# KiCad board C816SX.kicad_pcb (continued)
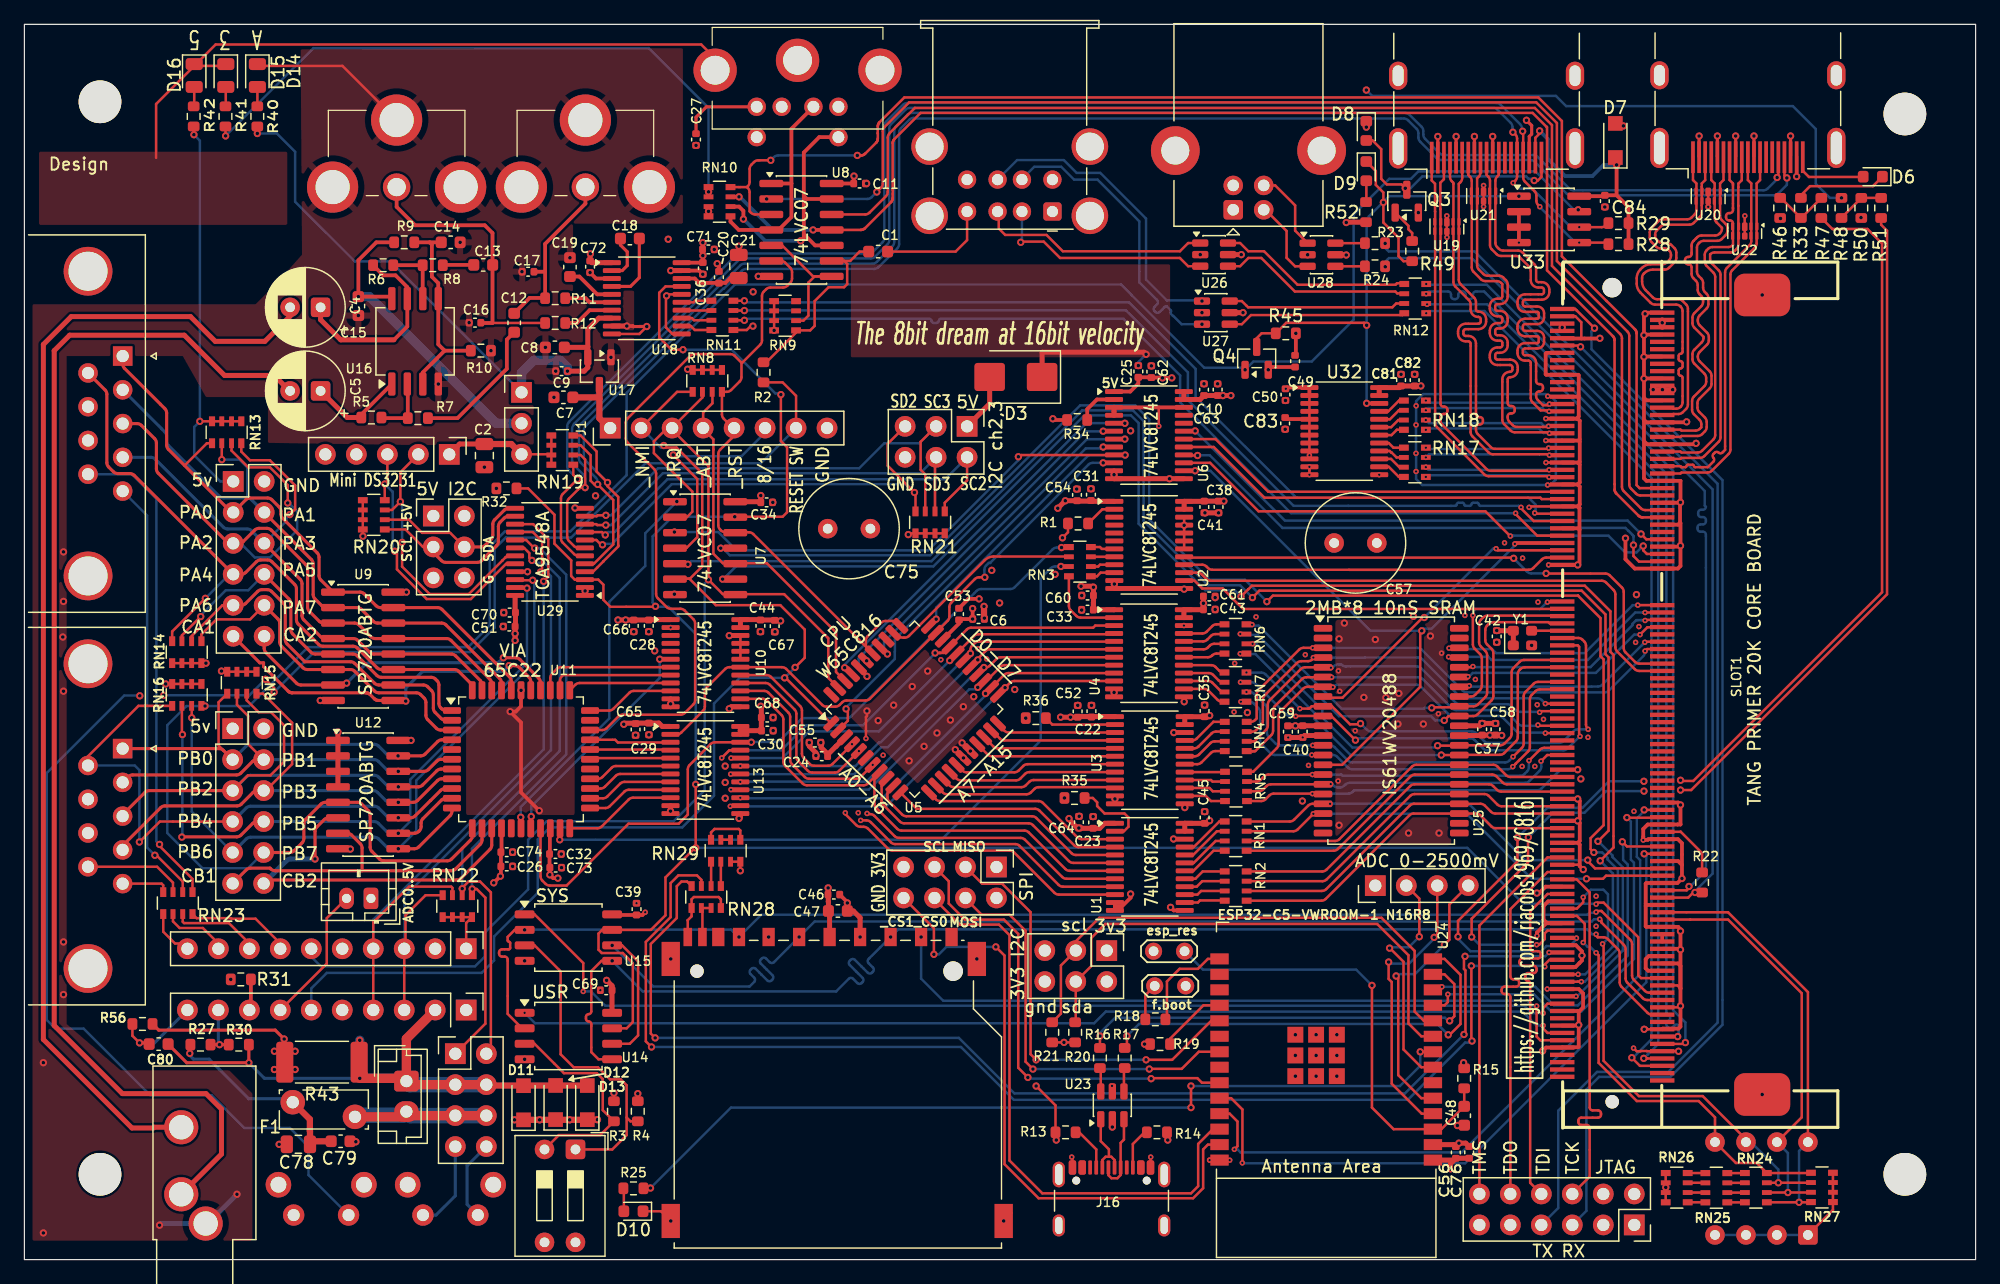
[diagram p0: board, top side]
## Routing (per net, layer and track width the routed paths; a pad name or vN(x,y) marks a point on that pad's centre or on a via; arc(x,y) is an arc through that point) (continued)
PS2DATOUT: length 106.8
  Top w0.203: 134.36,62.64 SLOT1.52 132.51,62.7 arc(132.31,62.74) 132.15,62.85 131.75,63.25 arc(131.64,63.42) 131.6,63.61 131.6,75.79 arc(131.56,75.98) 131.45,76.15 125.67,81.93 125.67,93.26 123.97,94.95 72.55,94.95 70.53,92.93 arc(70.43,92.77) 70.39,92.58 70.39,88.29 arc(70.35,88.1) 70.24,87.94 v1(69.9,87.6)
  Bottom w0.203: v1(69.9,87.6) 69.47,87.17 arc(69.31,87.06) 69.12,87.03 v1(60.86,87.03)
RDY.: length 42.9
  Top w0.203: 95.07,67.97 95.98,67.97 v1(96,68) ; SLOT1.64 133,59.1 v1(132.56,59.54)
  Bottom w0.203: v1(132.56,59.54) 131.46,60.64 103.36,60.64 96,68 v1(96,68)
RST_SW: length 136.8
  Top w0.2: 63.28,68.23 63.28,70.87 62.17,71.98 R2.2
  Top w0.203: v1(19.76,47.62) 20.48,46.9 v1(20.48,46.56)
  In3.Cu w0.203: v1(9.46,46.26) 9.46,46.28 9.49,46.31 v1(11.43,46.31)
  Bottom w0.203: SW5.2 23.3,6.94 23.3,9.28 21.77,10.8 18.04,10.8 15.35,13.49 10.32,13.49 4.86,18.95 2.55,18.95 1.83,19.67 1.83,39.93 8.18,46.28 9.44,46.28 v1(9.46,46.26) ; v1(19.76,47.62) 18.45,46.31 v1(11.43,46.31) ; v1(20.48,46.56) 23.77,49.85 36.56,49.85 38.56,51.86 38.56,58.33 39.47,59.25 44.84,59.25 50.93,65.34 60.39,65.34 63.28,68.23
RW.: length 55.1
  Top w0.203: v1(96,64.72) 95.07,64.72 ; 106.35,40.6 108.06,40.6 114.46,47 114.46,51.47 v1(114.59,51.59)
  Top w0.305: v2(122.22,58.73) 122.29,58.8 SLOT1.65
  Bottom w0.203: v2(122.22,58.73) 122.28,58.66 115.4,51.77 114.64,51.77 114.59,51.72 v1(114.59,51.59) 110.39,51.59 97.25,64.72 v1(96,64.72)
SCK: length 110.1
  Top w0.203: v2(129.18,27.93) 129.31,27.8 129.31,27.67 131.15,25.83 arc(131.26,25.67) 131.3,25.47 131.3,23.07 arc(131.34,22.88) 131.44,22.72 132.72,21.45 arc(132.88,21.34) 133.07,21.3 SLOT1.182 134.3,21.3 ; U15.6 49.01,25.79 50.32,24.47 50.32,18.4 49.64,17.71 U14.6
  Bottom w0.203: v2(129.18,27.93) 128.71,27.93 128.53,27.74 64.8,27.74 v1(63.53,26.47) 61.46,24.4 arc(61.29,24.33) 61.12,24.4 60.81,24.71 arc(60.64,24.78) 60.47,24.71 60.39,24.63 arc(60.32,24.46) 60.39,24.29 61.35,23.33 arc(61.42,23.16) 61.35,22.99 61.26,22.9 arc(61.09,22.83) 60.92,22.9 59.96,23.86 arc(59.79,23.93) 59.62,23.86 59.54,23.78 arc(59.47,23.61) 59.54,23.44 59.85,23.13 arc(59.92,22.96) 59.85,22.79 59.47,22.41 51.57,22.41 v1(48.2,25.78)
SW1: length 35.8
  Top w0.203: RN27.4 146.48,4.7 v1(145.52,4.7) RN24.1 ; SLOT1.158 139.7,28.5 146.25,21.95 146.25,9.64
  Bottom w0.203: 146.25,9.64 145.52,8.92 v1(145.52,4.7)
SW2: length 35.1
  Top w0.203: 143.71,9.64 145.74,11.68 145.74,21.86 139.7,27.9 136.6,27.9 SLOT1.160 ; RN24.2 v1(144.61,5.5) 146.48,5.5 RN27.3
  Bottom w0.203: 143.71,9.64 144.61,8.75 v1(144.61,5.5)
SW3: length 41.5
  Top w0.203: v2(129.41,25.91) 129.49,25.82 129.49,16.31 132.39,13.42 137.62,13.42 141.17,9.87 141.17,9.64 ; v2(127.82,29.73) 127.82,29.73 127.82,29.32 127.3,28.8 SLOT1.157 ; RN27.2 146.48,6.3 v1(143.82,6.3) RN24.3
  Bottom w0.203: v1(143.82,6.3) 143.82,7.4 141.57,9.64 141.17,9.64 ; v2(127.82,29.73) 128.44,30.35 129.48,30.35 129.85,29.98 129.85,26.35 v2(129.41,25.91)
SW4: length 36.6
  Top w0.203: v2(128.88,25.18) 129.09,24.97 129.09,16.14 132.22,13.01 137.29,13.01 138.63,11.67 138.63,9.64 140.34,7.93 142.06,7.93 RN24.4 146.48,7.1 RN27.1 ; SLOT1.159 127.3,28.2 127.95,27.56 127.95,26.14 v2(127.82,26.02)
  Bottom w0.203: v2(128.88,25.18) 128.4,25.66 128.18,25.66 v2(127.82,26.02)
TMDS0_N: length 44.6
  Top w0.2: SLOT1.33 125,68.4 v2(124.98,68.38) 124.92,68.32 124.52,68.32 122.4,68.32 arc(122.21,68.36) 122.04,68.47 121.78,68.73 arc(121.67,68.9) 121.63,69.09 121.63,69.2 arc(121.7,69.37) 121.87,69.44 121.97,69.44 arc(122.14,69.51) 122.21,69.68 122.21,69.8 arc(122.14,69.97) 121.97,70.04 121.87,70.04 arc(121.7,70.11) 121.63,70.28 121.63,72.22 arc(121.68,72.35) 121.81,72.4 121.84,72.4 arc(122.27,72.58) 122.46,73.02 122.46,73.22 arc(122.27,73.66) 121.84,73.84 120.78,73.84 arc(120.66,73.9) 120.6,74.02 120.6,74.22 arc(120.66,74.35) 120.78,74.4 121.01,74.4 arc(121.45,74.58) 121.63,75.02 121.63,75.22 arc(121.45,75.66) 121.01,75.84 120.78,75.84 arc(120.66,75.9) 120.6,76.02 120.6,76.22 arc(120.66,76.35) 120.78,76.4 121.01,76.4 arc(121.45,76.58) 121.63,77.02 121.63,77.22 arc(121.45,77.66) 121.01,77.84 120.78,77.84 arc(120.66,77.9) 120.6,78.02 120.6,78.22 arc(120.66,78.35) 120.78,78.4 121.01,78.4 arc(121.45,78.58) 121.63,79.02 121.63,80.01 arc(121.59,80.21) 121.48,80.37 121.27,80.58 arc(121.11,80.69) 120.92,80.73 119.98,80.73 arc(119.79,80.77) 119.63,80.87 119.27,81.23 arc(119.16,81.39) 119.12,81.59 119.12,88.72 119.25,88.85 arc(119.36,89.02) 119.4,89.21 119.4,90.5
  Bottom w0.2: 125.01,68.4 125,68.41 124.61,68.41 124.38,68.64 115.17,68.64 v2(114.92,68.89)
TMDS0_P: length 44.6
  Top w0.2: SLOT1.35 v2(125.05,67.8) 125,67.8 124.92,67.88 122.21,67.88 arc(122.02,67.92) 121.86,68.03 121.34,68.55 arc(121.23,68.71) 121.19,68.91 121.19,72.22 arc(121.37,72.66) 121.81,72.84 121.84,72.84 arc(121.96,72.9) 122.02,73.02 122.02,73.22 arc(121.96,73.35) 121.84,73.4 120.78,73.4 arc(120.35,73.58) 120.16,74.02 120.16,74.22 arc(120.35,74.66) 120.78,74.84 121.01,74.84 arc(121.14,74.9) 121.19,75.02 121.19,75.22 arc(121.14,75.35) 121.01,75.4 120.78,75.4 arc(120.35,75.58) 120.16,76.02 120.16,76.22 arc(120.35,76.66) 120.78,76.84 121.01,76.84 arc(121.14,76.9) 121.19,77.02 121.19,77.22 arc(121.14,77.35) 121.01,77.4 120.78,77.4 arc(120.35,77.58) 120.16,78.02 120.16,78.22 arc(120.35,78.66) 120.78,78.84 121.01,78.84 arc(121.14,78.9) 121.19,79.02 121.19,80.04 121.09,80.14 arc(120.93,80.25) 120.73,80.29 119.8,80.29 arc(119.61,80.33) 119.44,80.43 118.83,81.05 arc(118.72,81.21) 118.68,81.41 118.68,88.51 arc(118.64,88.7) 118.53,88.86 118.4,89 118.4,90.5
  Bottom w0.2: 125.02,67.8 125,67.82 124.57,67.82 124.19,68.2 115.21,68.2 115.1,68.09 v2(114.92,68.09)
TMDS1_N: length 44.5
  Top w0.2: 117.9,90.5 117.9,88.75 arc(117.86,88.56) 117.75,88.4 117.62,88.26 117.62,80.39 arc(117.66,80.2) 117.77,80.03 118.88,78.92 arc(118.99,78.76) 119.03,78.56 119.03,77.97 arc(119.08,77.84) 119.21,77.79 119.24,77.79 arc(119.68,77.6) 119.86,77.17 119.86,76.97 arc(119.68,76.53) 119.24,76.35 118.18,76.35 arc(118.05,76.29) 118,76.17 118,75.97 arc(118.05,75.84) 118.18,75.79 118.41,75.79 arc(118.85,75.6) 119.03,75.17 119.03,69.37 arc(119.1,69.2) 119.27,69.13 119.36,69.13 arc(119.53,69.06) 119.6,68.89 119.6,68.77 arc(119.53,68.6) 119.36,68.53 119.27,68.53 arc(119.1,68.46) 119.03,68.29 119.03,68.09 arc(119.07,67.9) 119.18,67.73 120.24,66.67 arc(120.41,66.56) 120.6,66.52 124.92,66.52 125,66.6 SLOT1.39
  Bottom w0.2: 125,66.6 v2(124.99,66.59) 124.91,66.51 115.03,66.51 v2(114.92,66.62)
TMDS1_P: length 44.5
  Top w0.2: SLOT1.41 v2(125.05,66) 125,66 125,66 124.92,66.08 120.41,66.08 arc(120.22,66.12) 120.06,66.23 118.74,67.55 arc(118.63,67.71) 118.59,67.91 118.59,75.17 arc(118.54,75.29) 118.41,75.35 118.18,75.35 arc(117.74,75.53) 117.56,75.97 117.56,76.17 arc(117.74,76.6) 118.18,76.79 119.24,76.79 arc(119.37,76.84) 119.42,76.97 119.42,77.17 arc(119.37,77.29) 119.24,77.35 119.21,77.35 arc(118.77,77.53) 118.59,77.97 118.59,78.38 arc(118.55,78.57) 118.44,78.74 117.33,79.85 arc(117.22,80.01) 117.18,80.21 117.18,88.26 117.17,88.28 117.17,88.36 117.05,88.48 arc(116.94,88.64) 116.9,88.83 116.9,90.5
  Bottom w0.2: v2(114.92,65.82) 115.17,66.07 124.24,66.07 124.24,66.07 124.96,66.07 125.02,66
TMDS2_N: length 44.5
  Top w0.2: 116.4,90.5 116.4,88.65 116.11,88.36 116.11,86.19 116.12,86.18 116.12,70.23 arc(116.19,70.06) 116.36,69.99 116.45,69.99 arc(116.62,69.92) 116.69,69.75 116.69,69.63 arc(116.62,69.46) 116.45,69.39 116.36,69.39 arc(116.19,69.32) 116.12,69.15 116.12,68.85 arc(116.16,68.66) 116.27,68.49 119.89,64.87 arc(120.06,64.76) 120.25,64.72 124.88,64.72 124.96,64.8 v2(125.02,64.8) SLOT1.45
  Bottom w0.2: v2(114.92,65.02) 115.14,64.8 v2(125.02,64.8)
TMDS2_P: length 44.5
  Top w0.2: SLOT1.47 v2(125.02,64.2) 124.98,64.2 124.9,64.28 120.07,64.28 arc(119.87,64.32) 119.71,64.43 115.83,68.31 arc(115.72,68.47) 115.68,68.67 115.68,86 115.67,86.01 115.67,88.27 115.4,88.54 115.4,90.5
  Bottom w0.2: v2(125.02,64.2) 124.86,64.36 115.06,64.36 v2(114.92,64.22)
TMDSC_N: length 44.6
  Top w0.2: SLOT1.27 v2(125.05,70.2) 124.95,70.1 124.54,70.1 124.52,70.12 124.51,70.12 124.11,70.52 arc(124,70.69) 123.96,70.88 123.96,71 arc(124.03,71.17) 124.2,71.24 124.28,71.24 arc(124.45,71.31) 124.52,71.48 124.52,71.6 arc(124.45,71.77) 124.28,71.84 124.2,71.84 arc(124.03,71.91) 123.96,72.08 123.96,73.58 arc(123.78,74.02) 123.34,74.2 123.06,74.2 arc(122.93,74.25) 122.88,74.38 122.88,74.58 arc(122.93,74.71) 123.06,74.76 124.07,74.76 arc(124.45,74.92) 124.61,75.31 124.61,75.65 arc(124.45,76.04) 124.07,76.2 123.06,76.2 arc(122.93,76.25) 122.88,76.38 122.88,76.58 arc(122.93,76.71) 123.06,76.76 124.07,76.76 arc(124.45,76.92) 124.61,77.31 124.61,77.65 arc(124.45,78.04) 124.07,78.2 123.06,78.2 arc(122.93,78.25) 122.88,78.38 122.88,78.58 arc(122.93,78.71) 123.06,78.76 124.42,78.76 arc(124.86,78.94) 125.04,79.38 125.04,79.58 arc(124.86,80.02) 124.42,80.2 124.14,80.2 arc(124.01,80.25) 123.96,80.38 123.96,81.31 arc(123.92,81.51) 123.81,81.67 122.84,82.64 arc(122.68,82.75) 122.48,82.79 121.26,82.79 arc(121.07,82.83) 120.9,82.94 120.77,83.07 arc(120.66,83.23) 120.62,83.43 120.62,88.51 arc(120.66,88.71) 120.77,88.87 120.9,89 120.9,90.5
  Bottom w0.2: v2(125.05,70.2) 125.04,70.19 124.69,70.19 124.57,70.31 115.09,70.31 v2(114.92,70.49)
TMDSC_P: length 44.6
  Top w0.2: SLOT1.29 v2(125.02,69.6) 124.97,69.6 124.89,69.68 124.33,69.68 123.67,70.34 arc(123.56,70.5) 123.52,70.7 123.52,73.58 arc(123.47,73.71) 123.34,73.76 123.06,73.76 arc(122.62,73.94) 122.44,74.38 122.44,74.58 arc(122.62,75.02) 123.06,75.2 124.07,75.2 arc(124.14,75.23) 124.17,75.31 124.17,75.65 arc(124.14,75.73) 124.07,75.76 123.06,75.76 arc(122.62,75.94) 122.44,76.38 122.44,76.58 arc(122.62,77.02) 123.06,77.2 124.07,77.2 arc(124.14,77.23) 124.17,77.31 124.17,77.65 arc(124.14,77.73) 124.07,77.76 123.06,77.76 arc(122.62,77.94) 122.44,78.38 122.44,78.58 arc(122.62,79.02) 123.06,79.2 124.42,79.2 arc(124.55,79.25) 124.6,79.38 124.6,79.58 arc(124.55,79.71) 124.42,79.76 124.14,79.76 arc(123.7,79.94) 123.52,80.38 123.52,81.13 arc(123.48,81.32) 123.37,81.49 122.66,82.2 arc(122.49,82.31) 122.3,82.35 121.08,82.35 arc(120.88,82.39) 120.72,82.5 120.33,82.89 arc(120.22,83.05) 120.18,83.25 120.18,88.51 arc(120.14,88.7) 120.03,88.86 119.9,89 119.9,90.5
  Bottom w0.2: v2(114.92,69.69) 115.1,69.87 124.47,69.87 124.75,69.6 v2(125.02,69.6)
UD1N: length 76.7
  Top w0.2: SLOT1.192 v1(135.57,18.3)
  Bottom w0.2: 134.65,63.05 134.65,20.24 134.89,19.99 arc(134.96,19.82) 134.89,19.65 134.71,19.47 arc(134.64,19.3) 134.71,19.13 134.79,19.05 arc(134.96,18.98) 135.13,19.05 135.31,19.23 arc(135.48,19.3) 135.65,19.23 135.65,18.38 v1(135.57,18.3) ; 132.85,66.28 119.7,79.44 119.02,79.44 arc(118.85,79.36) 118.78,79.19 118.78,79.05 arc(118.71,78.88) 118.54,78.81 118.42,78.81 arc(118.25,78.88) 118.18,79.05 118.18,79.19 arc(118.11,79.36) 117.94,79.44 117.82,79.44 arc(117.65,79.36) 117.58,79.19 117.58,79.05 arc(117.51,78.88) 117.34,78.81 117.22,78.81 arc(117.05,78.88) 116.98,79.05 116.98,79.19 arc(116.91,79.36) 116.74,79.44 115.15,79.44 114.96,79.25 v2(114.95,79.25) 115.06,79.25 115.08,79.23
  Bottom w0.203: 132.85,66.28 134.65,64.49 134.65,63.05
UD1P: length 75.9
  Top w0.2: v1(136.2,17.81) 136.09,17.7 134.3,17.7 SLOT1.194
  Bottom w0.2: 133.25,66.66 119.92,79.98 115.13,79.98 115.06,80.05 v2(114.95,80.05) ; v1(136.2,17.81) 136.2,19.46 135.19,20.46 135.19,63.27
  Bottom w0.203: 135.19,63.27 135.19,64.71 133.25,66.66
UD2N: length 75.5
  Top w0.2: SLOT1.200 132.47,15.9 v1(131.81,16.57) ; 115.06,77.64 115.06,77.65 v2(114.95,77.65)
  Bottom w0.2: 115.06,77.64 115.06,77.65 v2(114.95,77.65) 115.13,77.83 119.73,77.83 132.05,65.5 ; v1(131.81,16.57) 131.93,16.69 132.03,16.69 133.43,18.08 133.43,64.13
  Bottom w0.203: 132.05,65.5 133.43,64.13
UD2P: length 74.9
  Top w0.2: v1(132.79,16.51) 133.07,16.51 133.08,16.5 SLOT1.198 ; RN12.2 v2(115.02,78.38) 114.96,78.44
  Bottom w0.2: 114.96,78.44 v2(115.02,78.38) ; 133.97,60.55 133.97,17.72 133.94,17.69 133.94,17.66 133.1,16.82 133.1,16.82 v1(132.79,16.51) ; 115.18,78.38 119.95,78.38 132.46,65.88
  Bottom w0.203: 133.97,60.55 133.97,64.36 132.46,65.88 ; 115.18,78.38 v2(115.02,78.38)
UD3_N: length 72
  Top w0.203: v1(136.5,30.62) 136.5,30.49 136.31,30.3 SLOT1.152
  Bottom w0.2: v1(136.5,30.62) 136.6,30.62 137.88,31.9 137.88,59.49 arc(137.81,59.66) 137.64,59.73 137.44,59.73 arc(137.27,59.8) 137.2,59.97 137.2,60.09 arc(137.27,60.26) 137.44,60.33 137.64,60.33 arc(137.81,60.4) 137.88,60.57 137.88,60.69 arc(137.81,60.86) 137.64,60.93 137.49,60.93 arc(137.32,61) 137.25,61.17 137.25,61.29 arc(137.32,61.46) 137.49,61.53 137.64,61.53 arc(137.81,61.6) 137.88,61.77 137.79,61.86 137.79,63.07 118.68,82.17 111.9,82.17 111.78,82.06
  Bottom w0.203: v1(111.59,81.46) 111.6,81.47 111.6,81.88 111.78,82.06
UD3_P: length 72.7
  Top w0.203: R22.1 137.56,30.13 v1(136.99,30.13) ; v1(136.99,30.13) 136.86,30.13 136.43,29.7 SLOT1.154 ; v1(136.99,30.13) 137.1,30.24
  Bottom w0.2: v1(136.99,30.13) 136.99,30.23 138.44,31.68 138.44,63.2 118.91,82.72 111.88,82.72 111.73,82.87
  Bottom w0.203: v1(111.58,83.38) 111.6,83.36 111.6,83 111.73,82.87
USB3_CON: length 5.6
  Top w0.203: R22.2 137.57,33.35 135.82,35.1 SLOT1.136
VDA.: length 32.8
  Top w0.203: 126.09,62.41 SLOT1.53 124.42,62.4 124.31,62.52 101.69,62.52 97.53,66.67 U6.17
VPA.: length 43.9
  Top w0.203: U6.16 95.12,65.98 v1(96.2,65.98) ; SLOT1.70 134.27,57.27 132.4,57.27 131.94,57.73 v1(131.94,58.63)
  Bottom w0.203: v1(96.2,65.98) 96.22,66 97.2,66 103.17,60.03 131.29,60.03 131.53,59.8 131.54,59.8 131.89,59.44 131.89,59.43 131.96,59.37 131.96,59.32 131.94,59.31 v1(131.94,58.63)
Net-(C12-Pad1): length 11.4
  Top w0.305: R7.2 35.51,69.04 39.56,73.09 39.56,75.49 C12.1
Net-(C13-Pad1): length 2.6
  Top w0.305: R8.2 34.33,81.62 C13.1
Net-(D6-A): length 6.4
  Top w0.203: D6.2 150.75,88.83 146.33,88.83 145.82,89.34 145.82,90.53
Net-(D6-K): length 7.5
  Top w0.203: D6.1 151.58,88.08 146.42,88.08 145.67,87.33 R33.1
Net-(D8-K): length 48.3
  In3.Cu w0.203: v1(110.04,92.92) v1(110.04,95.96)
  Bottom w0.203: v1(149,87.11) 148.05,87.11 146.89,88.27 146.89,92.77 145.01,94.65 126.42,94.65 125.58,95.48 110.52,95.48 v1(110.04,95.96)
Net-(D9-A): length 1.8
  Top w0.203: R52.1 110.04,86.8 D9.2
Net-(D10-A): length 1.9
  Top w0.2: D10.2 49.15,5.81 49.12,5.85
Net-(D14-A): length 1.7
  Top w0.203: R40.2 19.1,94.63 19.1,96.37
Net-(D15-A): length 1.8
  Top w0.203: 16.59,94.62 16.51,94.7 16.51,96.37
Net-(D16-A): length 1.8
  Top w0.203: 14.08,94.62 13.93,94.78 13.93,96.37
Net-(J3-CARD_DETECT): length 3.2
  Top w0.203: RN28.3 RN28.2 55.6,28.76 J3.10
Net-(J3-WRITE_PROTECT): length 6.5
  Top w0.203: RN28.4 57.11,29.55 57.05,29.61 57.05,29.62 56.93,29.75 54.9,29.75 54.71,29.56 RN28.1 54.71,28.17 54.39,27.84 54.4,27.83 J3.11
Net-(J4-Pin_7): length 7.3
  Bottom w0.254: J4.7 35.34,5.24 33.75,3.66 SW6.1
Net-(J4-Pin_8): length 6.6
  Bottom w0.254: J4.8 36.3,7.7 36.3,4.54 SW6.2
Net-(J16-CC1): length 3.8
  Top w0.203: J16.A5 87.89,9.05 86.49,10.44 R13.2
Net-(J16-CC2): length 3.5
  Top w0.203: R14.2 91.85,10.44 90.89,9.49 J16.B5
Net-(J16-D+-PadA6): length 6.5
  Top w0.203: J16.A6 88.89,6.93 89.14,6.68 89.63,6.68 89.89,6.94 J16.B6 89.89,9.58 90.16,9.85 U23.3
Net-(J16-D--PadA7): length 5.8
  Top w0.203: U23.1 88.26,9.72 88.93,9.05 88.93,8.44 ; J16.A7 89.39,8.17 89.13,8.44 88.93,8.44 ; 88.93,8.44 88.66,8.44 88.39,8.17 J16.B7
Net-(J21-D+): length 6.8
  Top w0.203: 105.22,83.4 104.2,84.42 104.2,86.5 102.56,88.14 J21.3
Net-(J21-D-): length 6.8
  Top w0.203: 105.22,81.5 104.2,81.5 103.5,82.2 103.5,84.4 101.76,86.14 J21.2
Net-(J29-Pin_7): length 8.2
  Top w0.2: 20.99,25.94 18.95,27.97 16.98,27.97 16.94,28.02 14.12,28.02 RN23.8
Net-(J29-Pin_8): length 6.8
  Top w0.2: RN23.7 12.99,27.72 13.09,27.61 16.77,27.61 18.45,25.94
Net-(J29-Pin_9): length 5.1
  Top w0.2: RN23.6 12.19,27.75 12.73,27.21 14.64,27.21 15.91,25.94
Net-(J29-Pin_10): length 3.8
  Top w0.2: 11.38,28.35 11.38,26.9 12.35,25.94 13.37,25.94
Net-(Q3-G): length 2.9
  Top w0.203: R49.1 113.8,84.23 113.49,84.54 113.49,84.82 Q3.1
Net-(R33-Pad2): length 4.7
  Top w0.203: R46.1 144.02,87.11 R33.2 145.7,85.46 R47.2
Net-(R48-Pad2): length 3.9
  Top w0.203: R48.2 149,85.49 R50.1 R51.2
Net-(RN1-R1.2): length 4
  Top w0.203: U1.18 95.86,31.9 97.51,33.55 RN1.8
Net-(RN1-R2.2): length 4
  Top w0.203: U1.19 95.89,32.55 97.69,34.35 RN1.7
Net-(RN1-R3.2): length 4.1
  Top w0.203: RN1.6 97.79,35.15 95.84,33.2 U1.20
Net-(RN1-R4.2): length 4.1
  Top w0.203: U1.21 95.89,33.85 97.99,35.95 RN1.5
Net-(RN2-R1.2): length 3.4
  Top w0.203: U1.14 96.23,29.3 96.4,29.47 98.41,29.47 RN2.8
Net-(RN2-R2.2): length 3.4
  Top w0.203: U1.15 96.19,29.95 96.49,30.25 RN2.7
Net-(RN2-R3.2): length 3.5
  Top w0.203: U1.16 96.13,30.6 96.58,31.05 RN2.6
Net-(RN2-R4.2): length 3.5
  Top w0.203: RN2.5 96.62,31.85 96.02,31.25 U1.17
Net-(RN3-R1.1): length 2
  Top w0.203: U2.10 88.25,56.37 87.95,56.07 RN3.1
Net-(RN3-R2.1): length 2
  Top w0.203: U2.9 88.2,57.02 88.05,56.87 RN3.2
Net-(RN3-R3.1): length 1.9
  Top w0.203: RN3.3 U2.8
Net-(RN3-R4.1): length 2
  Top w0.203: U2.7 88.35,58.32 88.2,58.47 RN3.4
Net-(RN4-R1.2): length 3.7
  Top w0.203: RN4.8 97.66,41.72 arc(97.47,41.69) 97.3,41.58 96.52,40.8 arc(96.36,40.69) 96.17,40.65 U3.18
Net-(RN4-R2.2): length 3.7
  Top w0.203: U3.19 95.97,41.3 arc(96.16,41.34) 96.32,41.45 97.25,42.38 arc(97.42,42.49) 97.61,42.52 RN4.7
Net-(RN4-R3.2): length 3.8
  Top w0.203: U3.20 95.92,41.95 arc(96.11,41.99) 96.27,42.1 97.35,43.18 arc(97.52,43.29) 97.71,43.32 RN4.6
Net-(RN4-R4.2): length 3.9
  Top w0.203: U3.21 95.77,42.6 arc(95.96,42.64) 96.12,42.75 97.5,44.12 RN4.5
Net-(RN5-R1.2): length 3.5
  Top w0.203: RN5.8 97.3,37.62 96.88,38.05 U3.14
Net-(RN5-R2.2): length 3.4
  Top w0.203: U3.15 97.18,38.7 97.45,38.42 RN5.7
Net-(RN5-R3.2): length 3.4
  Top w0.203: 98.45,39.22 97.43,39.22 97.3,39.35 U3.16
Net-(RN5-R4.2): length 3.3
  Top w0.203: U3.17 98.43,40 RN5.5
Net-(RN6-R1.2): length 3.4
  Top w0.203: U4.18 97.04,49.43 arc(97.24,49.46) 97.4,49.57 97.4,49.58 arc(97.57,49.69) 97.76,49.72 RN6.8
Net-(RN6-R2.2): length 3.5
  Top w0.203: RN6.7 97.56,50.53 arc(97.37,50.49) 97.2,50.38 97.05,50.22 arc(96.89,50.11) 96.69,50.08 U4.19
Net-(RN6-R3.2): length 3.5
  Top w0.203: U4.20 96.64,50.73 arc(96.84,50.76) 97,50.87 97.3,51.18 arc(97.47,51.29) 97.66,51.33 RN6.6
Net-(RN6-R4.2): length 3.6
  Top w0.203: U4.21 96.59,51.38 arc(96.78,51.41) 96.94,51.52 97.4,51.98 arc(97.56,52.09) 97.75,52.12 RN6.5
Net-(RN7-R1.2): length 3.7
  Top w0.203: 98.41,45.78 98.21,45.78 arc(98.02,45.81) 97.85,45.92 97.1,46.68 arc(96.93,46.79) 96.74,46.83 U4.14
Net-(RN7-R2.2): length 3.7
  Top w0.203: 98.41,46.58 98.38,46.58 arc(98.19,46.61) 98.03,46.72 97.42,47.33 arc(97.26,47.44) 97.07,47.48 U4.15
Net-(RN7-R3.2): length 3.6
  Top w0.203: RN7.6 98.28,47.38 arc(98.09,47.41) 97.93,47.52 97.47,47.98 arc(97.31,48.09) 97.12,48.13 U4.16
Net-(RN7-R4.2): length 3.5
  Top w0.203: U4.17 97.32,48.78 arc(97.51,48.74) 97.67,48.63 97.98,48.32 arc(98.14,48.21) 98.33,48.17 RN7.5
Net-(RN9-R3.2): length 11.6
  Top w0.203: 63.28,77.04 63.88,77.04 64.29,77.46 64.29,80.17 64.8,80.68 65.81,80.68 64.67,80.68 62.13,83.22 60.86,83.22
Net-(RN9-R4.2): length 16.6
  Top w0.203: 67.21,81.95 67.47,81.69 67.47,80.04 67.21,79.79 65.94,79.79 64.8,78.64 64.8,76.61 64.43,76.24 63.28,76.24 63.28,76.07 60.84,73.63 R2.1 ; 67.21,81.95 65.81,81.95 ; 67.21,81.95 67.72,81.95 68.48,82.71 C1.1
Net-(RN17-R1.1): length 2.2
  Top w0.203: U32.17 111.88,67 112.26,66.62 RN17.1
Net-(RN17-R2.1): length 2.2
  Top w0.203: U32.16 111.95,66.35 112.09,66.21 112.12,66.21 112.51,65.82 RN17.2
Net-(RN17-R3.1): length 2.3
  Top w0.203: RN17.3 112.74,65.02 112.06,65.7 U32.15
Net-(RN17-R4.1): length 2.4
  Top w0.203: RN17.4 112.71,64.22 111.88,65.05 U32.14
Net-(RN18-R1.1): length 2.4
  Top w0.203: U32.21 111.83,69.6 112.72,70.49 RN18.1
Net-(RN18-R2.1): length 2.3
  Top w0.203: U32.20 111.97,68.95 112.71,69.69 RN18.2
Net-(RN18-R3.1): length 2.3
  Top w0.203: RN18.3 112.66,68.89 112.07,68.3 U32.19
Net-(RN18-R4.1): length 2.2
  Top w0.203: RN18.4 112.54,68.09 112.1,67.65 U32.18
Net-(RN24-R1.2): length 1.4
  Top w0.203: RN25.1 141.07,4.7 RN24.8
Net-(RN24-R2.2): length 1.4
  Top w0.203: RN25.2 141.07,5.5 RN24.7
Net-(RN24-R3.2): length 1.4
  Top w0.203: RN25.3 141.07,6.3 RN24.6
Net-(RN24-R4.2): length 1.4
  Top w0.203: RN25.4 141.07,7.1 RN24.5
Net-(RN25-R1.2): length 1.5
  Top w0.203: RN26.5 137.83,4.7 RN25.8
Net-(RN25-R2.2): length 1.5
  Top w0.203: RN26.6 137.83,5.5 RN25.7
Net-(RN25-R3.2): length 1.5
  Top w0.203: RN26.7 137.83,6.3 RN25.6
Net-(RN25-R4.2): length 1.5
  Top w0.203: RN25.5 137.83,7.1 RN26.8
Net-(RN28-R3.2): length 2
  Top w0.203: RN29.5 56.31,32.64 RN28.6
Net-(RN28-R4.2): length 2
  Top w0.203: RN29.6 57.11,32.64 RN28.5
Net-(RN29-R1.1): length 3.9
  Top w0.203: RN29.4 56.31,35.05 56.59,35.34 58.58,35.34 58.71,35.21 RN29.1
Net-(RN29-R2.1): length 0.8
  Top w0.203: RN29.3 RN29.2
Net-(U1-DIR): length 6.5
  Top w0.203: R35.2 87.61,37.88 87.97,37.52 87.97,37.22 88.58,36.61 90.21,36.61 90.53,36.28 90.53,35.52 90.16,35.15 U1.2
Net-(U2-DIR): length 2.6
  Top w0.203: R1.2 88.39,61.57 U2.2
Net-(U3-DIR): length 5.9
  Top w0.203: R36.2 84.29,43.9 U3.2
Net-(U6-DIR): length 3.4
  Top w0.305: U6.2 87.95,70.58 87.15,69.78 R34.2
Net-(U16-OUT_1): length 8
  Top w0.305: U16.1 27.63,69.34 R5.2
  Top w0.406: R5.2 26.47,69.09 C5.1
Net-(U16-OUT_2): length 16
  Top w0.305: R6.1 29.42,80.76 30.43,80.76 31.4,79.79 U16.7 31.4,76.56 30.31,75.47
  Top w0.406: C4.1 24.29,77.12 25.94,75.47 30.31,75.47
Net-(U16-VIN+_1): length 17.2
  Top w0.305: U16.3 32.67,72.79 34.46,74.58 ; 34.46,74.58 33.94,75.1 U16.5 33.94,80.12 33.41,80.64 33.41,83.29 33.23,83.47 ; 34.46,74.58 R10.1 ; 33.23,83.47 31.97,83.47 ; 33.23,83.47 C14.1
Net-(U16-VIN-_1): length 5
  Top w0.305: R5.1 29.33,69.04 R7.1 31.44,71.8 U16.2
Net-(U16-VIN-_2): length 5.2
  Top w0.305: R6.2 R8.1 32.66,78.85 U16.6
Net-(U18-CAPM): length 5.8
  Top w0.254: 48.18,79.85 49.7,79.85 50.43,80.58 C18.2
Net-(U18-CAPP): length 3.9
  Top w0.254: C18.1 48.88,83.25 49.43,82.69 49.43,81.56 49.02,81.15 48.18,81.15
Net-(U18-LDOO): length 5
  Top w0.305: C21.1 57.88,80.54 57.49,80.14 55.33,80.14 55.25,80.22 55.25,80.22 54.97,80.5 U18.18
Net-(U18-OUTL): length 4
  Top w0.305: R11.2 46.02,78.88 46.35,78.55 48.18,78.55
Net-(U18-OUTR): length 4.3
  Top w0.305: R12.2 45.3,76.85 46.35,77.9 48.18,77.9
Net-(U18-VNEG): length 4
  Top w0.305: C19.1 45.51,80.66 46.97,79.2 48.18,79.2
Net-(U24-GPIO6): length 71.1
  Top w0.2: R25.1 50.79,5.87 v1(51.34,5.87)
  Top w0.203: 115.5,17.06 114.46,17.06 v1(114.46,17.05) ; v1(95.66,14.24) v1(95.66,12.48)
  Bottom w0.203: v1(95.66,14.24) 112.79,14.24 114.46,15.91 v1(114.46,17.05) ; v1(95.66,12.48) 57.94,12.48 v1(51.34,5.87)
Net-(U24-GPIO13/USB_D-): length 35.8
  Top w0.203: U24.13 116.45,23.41 117.25,22.61 117.25,19.97 v1(116.87,19.59) ; v1(88.19,18.34) R16.2
  Bottom w0.203: v1(88.19,18.34) 88.17,18.37 88.17,18.57 89.44,19.84 116.49,19.84 116.74,19.59 v1(116.87,19.59)
Net-(U24-GPIO14/USB_D+): length 36.6
  Top w0.203: v1(116.75,18.45) 116.87,18.45 117.76,19.33 117.76,23.37 116.45,24.67 U24.14 ; R17.2 90.41,17.55 v1(90.41,18.34)
  Bottom w0.203: v1(116.75,18.45) 116.74,18.45 116.64,18.34 116.64,18.56 115.86,19.33 91.4,19.33 v1(90.41,18.34)
Net-(U24-GPIO27): length 5.6
  Top w0.203: U24.18 96.68,20.86 93.95,18.13 R19.2
Net-(U24-GPIO28): length 8.2
  Top w0.203: U24.15 97.05,24.67 96.23,23.86 94.72,23.86 93.69,22.82 93.69,19.84 R18.2
unconnected-(SLOT1-Pad98): length 0.1
  Top w0.203: 134.26,46.46 SLOT1.98

## Copper pours and planes (outline as drawn; the poured copper is in the pictures)
+3V3 on In3.Cu: 3.97,84.5 9,84.5 12.85,84.46 12.64,66.61 42.45,66.27 42.63,71.07 50.5,71 50.5,80 45.6,80 45.6,84.5 54.5,84.5 54.5,99.5 158.5,99.5 158.5,2.5 3.97,2.5
AGND on Top, In1.Cu: 54,85 44.99,85 44.99,79.5 50,79.5 49.99,71.81 41.76,71.82 41.77,66.89 32.29,66.83 19.97,67.01 19.97,70.77 14.89,70.77 12.99,74.14 3.46,74.14 3.46,19.33 7.91,15.53 16.79,15.53 18.7,13.62 18.7,1.56 0.67,1.56 0.67,78.39 18.95,78.39 20.73,80.17 22.76,82.45 22.65,99.3 54,99.5
GND on Top: 36.23,45.37 45.12,45.37 45.12,36.48 36.23,36.48
GND on Top: 67.77,81.66 93.95,81.66 93.95,74.04 67.77,74.04
GND on Top: 78.95,44.81 72.95,51.01 66.99,45.24 73.25,39.05
GND on Top: 107.5,52.5 117,52.5 117,34 107.5,34
GND on Top: 21.56,84.9 21.56,90.9 1.2,90.9 1.2,84.9
GND on In1.Cu, In4.Cu: 3.97,82.53 18.96,70.6 19.02,66.28 30.13,66.45 42.43,66.39 42.46,71.23 50.36,71.11 50.5,80 45.6,80 45.6,84.5 54.5,84.5 54.5,99.5 158.5,99.5 158.5,0.54 3.97,0.54
VCC on In2.Cu: 3.97,84.49 12.08,84.48 12.05,66.5 29.37,66.4 38.88,66.13 38.86,67.88 50.09,71.74 49.99,80 47,80 47,84.5 54.5,84.5 54.5,99.5 158.5,99.5 158.5,2.5 3.97,2.5

## Text on the board
B.Silkscreen: demp on PB7 | SWITCH ON | SWITCH OFF | SCRRES | ASPECT | STARTUP CONFIG | FAST | SLOW | CPU | SYS | USR | ROM | HI-RES | LOW-RES | 16:9 | 4:3 | Rom from 0=SYS, 1=USR | 0=Low Res, 1=Hi res | 0=4:3  1=16:9 | Design by Robin Jacobs / https://github.com/rjacobs1969/C816 / Version 4.1  05/2026
F.Mask: Robin Jacobs | C816 SX
F.Silkscreen: _CS1 | _CS0 | SCL | MOSI | MISO | 5V | esp_res | f.boot | ESP32-C5-VWROOM-1 N16R8 | +5V | ADC0..5V | SDA | G | Mini DS3231 | GND | SD2 | SD3 | SC3 | SC2 | 74LVC8T245 | RESET SW | GND 3V3 | https://github.com/rjacobs1969/C816 | 8/16 | The 8bit dream at 16bit velocity | The 8bit dream at 16bit velocity. | Design | PB0 | PB2 | PB4 | PB6 | PA0 | PA2 | PA4 | PA6 | CB1 | CA1 | 5v | PB1 | PB3 | PB5 | PB7 | CB2 | PA1 | PA3 | PA5 | PA7 | CA2 | 5V I2C | USR | SYS | gnd | scl | sda | 3v3 | 2MB*8 10nS SRAM | ADC 0-2500mV | TX | RX | JTAG | VIA / 65C22 | A7-A15 | CPU / W65C816 | SP720ABTG | TCA9548A | _NMI | _IRQ | _ABT | 74LVC07 | _RST | I2C ch2,3 | 3V3 I2C | SPI | IS61WV20488 | TMS | TDO | TDI | TCK | TANG PRIMER 20K CORE BOARD | A0-A6 | D0-D7 | 5 | 3 | A
